# Altium PCB VALVEBOARD_Kun.PcbDoc (part 5 of 13) (continued)
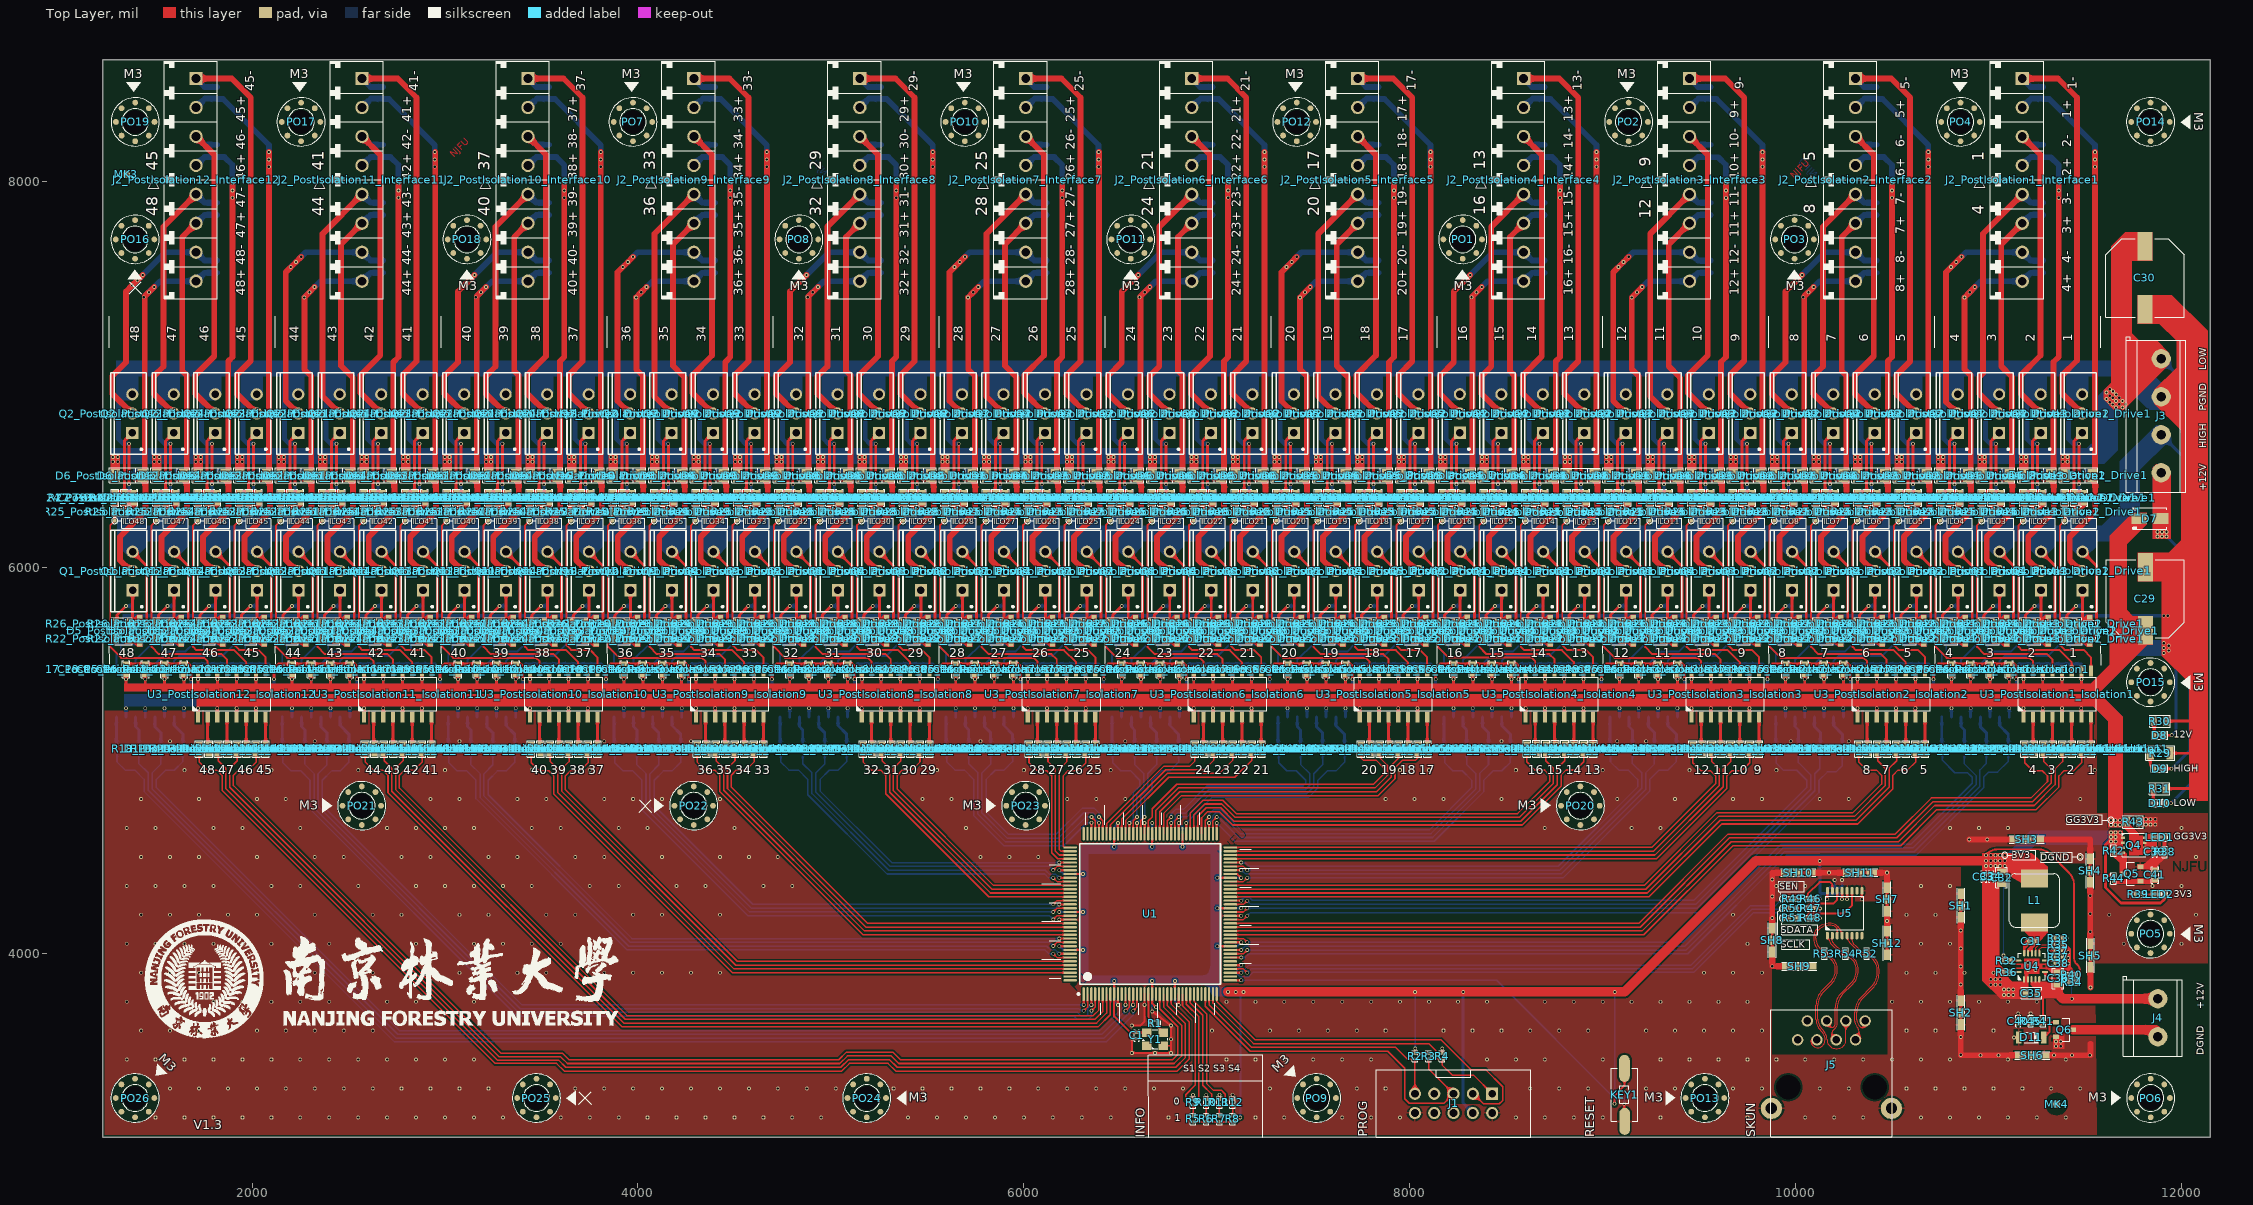
[diagram p0: Top Layer view]
## Nets (pads, with @x,y where several pads share a name; then routed paths per layer and width w, separated by ;. In a path a pad name is that pad's centre, name@x,y a point inside that pad or via, vN(x,y) a via of type N, cw(c..) or ccw(c..) an arc to the next point about the centre after c; other vN are vias at no path point) (continued)
DLO2_PostIsolation12: C24_PostIsolation12_Interface12.2 J2_PostIsolation12_Interface12.3 Q2_PostIsolation12_Drive2.2 | length 1686
  Top Layer w30: J2_PostIsolation12_Interface12.3@1709.65,8234.2 1803.94,8139.92 1803.94,7094.98 1705.93,6996.97 1705.93,6901.16 Q2_PostIsolation12_Drive2.2@1809.27,6797.82
  Bottom Layer w30: J2_PostIsolation12_Interface12.3@1709.65,8234.2 1753.08,8190.78 C24_PostIsolation12_Interface12.2@1818.87,8190.78
DLO3_PostIsolation1: C25_PostIsolation1_Interface1.2 J2_PostIsolation1_Interface1.5 Q2_PostIsolation1_Drive3.2 | length 1398.7
  Top Layer w30: Q2_PostIsolation1_Drive3.2@11054.79,6797.82 10951.45,6901.16 10951.45,6987.96 10970.47,7006.98 10970.47,7730.16 J2_PostIsolation1_Interface1.5@11174.44,7934.14
  Bottom Layer w30: J2_PostIsolation1_Interface1.5@11174.44,7934.14 11217.87,7890.71 C25_PostIsolation1_Interface1.2@11283.66,7890.71
DLO3_PostIsolation2: C25_PostIsolation2_Interface2.2 J2_PostIsolation2_Interface2.5 Q2_PostIsolation2_Drive3.2 | length 1397
  Top Layer w30: Q2_PostIsolation2_Drive3.2@10194.86,6797.82 10091.52,6901.16 10091.52,6991.74 10141.99,7042.21 10141.99,7765.93 J2_PostIsolation2_Interface2.5@10310.26,7934.2
  Bottom Layer w30: J2_PostIsolation2_Interface2.5@10310.26,7934.2 10353.69,7890.78 C25_PostIsolation2_Interface2.2@10419.48,7890.78
DLO3_PostIsolation3: C25_PostIsolation3_Interface3.2 J2_PostIsolation3_Interface3.5 Q2_PostIsolation3_Drive3.2 | length 1384.7
  Top Layer w30: Q2_PostIsolation3_Drive3.2@9334.8,6797.82 9246.23,6886.39 9246.23,7730.16 J2_PostIsolation3_Interface3.5@9450.2,7934.14
  Bottom Layer w30: J2_PostIsolation3_Interface3.5@9450.2,7934.14 9493.63,7890.71 C25_PostIsolation3_Interface3.2@9559.42,7890.71
DLO3_PostIsolation4: C25_PostIsolation4_Interface4.2 J2_PostIsolation4_Interface4.5 Q2_PostIsolation4_Drive3.2 | length 1397
  Top Layer w30: Q2_PostIsolation4_Drive3.2@8474.74,6797.82 8371.4,6901.16 8371.4,6991.74 8421.87,7042.21 8421.87,7765.93 J2_PostIsolation4_Interface4.5@8590.14,7934.2
  Bottom Layer w30: J2_PostIsolation4_Interface4.5@8590.14,7934.2 8633.56,7890.78 C25_PostIsolation4_Interface4.2@8699.35,7890.78
DLO3_PostIsolation5: C25_PostIsolation5_Interface5.2 J2_PostIsolation5_Interface5.5 Q2_PostIsolation5_Drive3.2 | length 1384.8
  Top Layer w30: Q2_PostIsolation5_Drive3.2@7614.68,6797.82 7526.11,6886.39 7526.11,7730.23 J2_PostIsolation5_Interface5.5@7730.08,7934.2
  Bottom Layer w30: J2_PostIsolation5_Interface5.5@7730.08,7934.2 7773.5,7890.78 C25_PostIsolation5_Interface5.2@7839.29,7890.78
DLO3_PostIsolation6: C25_PostIsolation6_Interface6.2 J2_PostIsolation6_Interface6.5 Q2_PostIsolation6_Drive3.2 | length 1397
  Top Layer w30: Q2_PostIsolation6_Drive3.2@6754.62,6797.82 6651.28,6901.16 6651.28,6991.74 6701.75,7042.21 6701.75,7765.93 J2_PostIsolation6_Interface6.5@6870.02,7934.2
  Bottom Layer w30: J2_PostIsolation6_Interface6.5@6870.02,7934.2 6913.44,7890.78 C25_PostIsolation6_Interface6.2@6979.23,7890.78
DLO3_PostIsolation7: C25_PostIsolation7_Interface7.2 J2_PostIsolation7_Interface7.5 Q2_PostIsolation7_Drive3.2 | length 1384.8
  Top Layer w30: Q2_PostIsolation7_Drive3.2@5894.56,6797.82 5805.99,6886.39 5805.99,7730.23 J2_PostIsolation7_Interface7.5@6009.96,7934.2
  Bottom Layer w30: J2_PostIsolation7_Interface7.5@6009.96,7934.2 6053.38,7890.78 C25_PostIsolation7_Interface7.2@6119.17,7890.78
DLO3_PostIsolation8: C25_PostIsolation8_Interface8.2 J2_PostIsolation8_Interface8.5 Q2_PostIsolation8_Drive3.2 | length 1397
  Top Layer w30: Q2_PostIsolation8_Drive3.2@5034.5,6797.82 4931.15,6901.16 4931.15,6991.74 4981.62,7042.21 4981.62,7765.93 J2_PostIsolation8_Interface8.5@5149.9,7934.2
  Bottom Layer w30: J2_PostIsolation8_Interface8.5@5149.9,7934.2 5193.32,7890.78 C25_PostIsolation8_Interface8.2@5259.11,7890.78
DLO3_PostIsolation9: C25_PostIsolation9_Interface9.2 J2_PostIsolation9_Interface9.5 Q2_PostIsolation9_Drive3.2 | length 1384.8
  Top Layer w30: Q2_PostIsolation9_Drive3.2@4174.44,6797.82 4085.86,6886.39 4085.86,7730.23 J2_PostIsolation9_Interface9.5@4289.84,7934.2
  Bottom Layer w30: J2_PostIsolation9_Interface9.5@4289.84,7934.2 4333.26,7890.78 C25_PostIsolation9_Interface9.2@4399.05,7890.78
DLO3_PostIsolation10: C25_PostIsolation10_Interface10.2 J2_PostIsolation10_Interface10.5 Q2_PostIsolation10_Drive3.2 | length 1397
  Top Layer w30: Q2_PostIsolation10_Drive3.2@3314.38,6797.82 3211.03,6901.16 3211.03,6991.74 3261.5,7042.21 3261.5,7765.93 J2_PostIsolation10_Interface10.5@3429.78,7934.2
  Bottom Layer w30: J2_PostIsolation10_Interface10.5@3429.78,7934.2 3473.2,7890.78 C25_PostIsolation10_Interface10.2@3538.99,7890.78
DLO3_PostIsolation11: C25_PostIsolation11_Interface11.2 J2_PostIsolation11_Interface11.5 Q2_PostIsolation11_Drive3.2 | length 1384.8
  Top Layer w30: Q2_PostIsolation11_Drive3.2@2454.31,6797.82 2365.74,6886.39 2365.74,7730.23 J2_PostIsolation11_Interface11.5@2569.72,7934.2
  Bottom Layer w30: J2_PostIsolation11_Interface11.5@2569.72,7934.2 2613.14,7890.78 C25_PostIsolation11_Interface11.2@2678.93,7890.78
DLO3_PostIsolation12: C25_PostIsolation12_Interface12.2 J2_PostIsolation12_Interface12.5 Q2_PostIsolation12_Drive3.2 | length 1397
  Top Layer w30: Q2_PostIsolation12_Drive3.2@1594.25,6797.82 1490.91,6901.16 1490.91,6991.74 1541.38,7042.21 1541.38,7765.93 J2_PostIsolation12_Interface12.5@1709.65,7934.2
  Bottom Layer w30: J2_PostIsolation12_Interface12.5@1709.65,7934.2 1753.08,7890.78 C25_PostIsolation12_Interface12.2@1818.87,7890.78
DLO4_PostIsolation1: C26_PostIsolation1_Interface1.2 J2_PostIsolation1_Interface1.7 Q2_PostIsolation1_Drive4.2 | length 1399.1
  Top Layer w30: Q2_PostIsolation1_Drive4.2@10840.01,6797.82 10779.23,6858.61 10779.23,7530.75 v1(10832.36,7583.88) v1(10859.15,7610.67)
  Bottom Layer w30: v1(10805.57,7557.09) v1(10832.36,7583.88) v1(10859.15,7610.67) 10882.61,7634.14 J2_PostIsolation1_Interface1.7@11174.44,7634.14 11217.87,7590.71 C26_PostIsolation1_Interface1.2@11283.66,7590.71
DLO4_PostIsolation2: C26_PostIsolation2_Interface2.2 J2_PostIsolation2_Interface2.7 Q2_PostIsolation2_Drive4.2 | length 1354.3
  Top Layer w30: Q2_PostIsolation2_Drive4.2@9979.85,6797.82 9876.5,6901.16 9876.5,6993 9947.77,7064.26 9947.77,7430.47 v1(9980.01,7462.71) v1(10006.8,7489.49) v1(10033.58,7516.28)
  Bottom Layer w30: v1@9980.36,7463.06 10151.51,7634.2 J2_PostIsolation2_Interface2.7@10310.26,7634.2 10353.69,7590.78 C26_PostIsolation2_Interface2.2@10419.48,7590.78
DLO4_PostIsolation3: C26_PostIsolation3_Interface3.2 J2_PostIsolation3_Interface3.7 Q2_PostIsolation3_Drive4.2 | length 1400.8
  Top Layer w30: Q2_PostIsolation3_Drive4.2@9119.79,6797.82 9054.98,6862.62 9054.98,7530.75 v1(9108.11,7583.88) v1(9134.9,7610.67)
  Bottom Layer w30: v1(9081.33,7557.09) v1(9108.11,7583.88) v1(9134.9,7610.67) 9158.37,7634.14 J2_PostIsolation3_Interface3.7@9450.2,7634.14 9493.63,7590.71 C26_PostIsolation3_Interface3.2@9559.42,7590.71
DLO4_PostIsolation4: C26_PostIsolation4_Interface4.2 J2_PostIsolation4_Interface4.7 Q2_PostIsolation4_Drive4.2 | length 1354.3
  Top Layer w30: 8156.38,6993 8227.65,7064.26 8227.65,7430.47 v1(8259.89,7462.71) v1(8286.68,7489.49) v1(8313.46,7516.28) ; 8156.38,6993.44 8156.38,6901.61 Q2_PostIsolation4_Drive4.2@8259.72,6798.26
  Bottom Layer w30: v1@8260.24,7463.06 8431.38,7634.2 J2_PostIsolation4_Interface4.7@8590.14,7634.2 8633.56,7590.78 C26_PostIsolation4_Interface4.2@8699.35,7590.78
DLO4_PostIsolation5: C26_PostIsolation5_Interface5.2 J2_PostIsolation5_Interface5.7 Q2_PostIsolation5_Drive4.2 | length 1400.8
  Top Layer w30: Q2_PostIsolation5_Drive4.2@7399.66,6797.82 7334.86,6862.62 7334.86,7530.81 v1(7387.99,7583.95) v1(7414.78,7610.73)
  Bottom Layer w30: v1(7361.21,7557.16) v1(7387.99,7583.95) v1(7414.78,7610.73) 7438.25,7634.2 J2_PostIsolation5_Interface5.7@7730.08,7634.2 7773.5,7590.78 C26_PostIsolation5_Interface5.2@7839.29,7590.78
DLO4_PostIsolation6: C26_PostIsolation6_Interface6.2 J2_PostIsolation6_Interface6.7 Q2_PostIsolation6_Drive4.2 | length 1354.3
  Top Layer w30: Q2_PostIsolation6_Drive4.2@6539.6,6797.82 6436.26,6901.16 6436.26,6993 6507.53,7064.26 6507.53,7430.47 v1(6539.77,7462.71) v1(6566.56,7489.49) v1(6593.34,7516.28)
  Bottom Layer w30: v1@6540.12,7463.06 6711.26,7634.2 J2_PostIsolation6_Interface6.7@6870.02,7634.2 6913.44,7590.78 C26_PostIsolation6_Interface6.2@6979.23,7590.78
DLO4_PostIsolation7: C26_PostIsolation7_Interface7.2 J2_PostIsolation7_Interface7.7 Q2_PostIsolation7_Drive4.2 | length 1400.8
  Top Layer w30: Q2_PostIsolation7_Drive4.2@5679.54,6797.82 5614.74,6862.62 5614.74,7530.81 v1(5667.87,7583.95) v1(5694.66,7610.73)
  Bottom Layer w30: v1(5641.09,7557.16) v1(5667.87,7583.95) v1(5694.66,7610.73) 5718.13,7634.2 J2_PostIsolation7_Interface7.7@6009.96,7634.2 6053.38,7590.78 C26_PostIsolation7_Interface7.2@6119.17,7590.78
DLO4_PostIsolation8: C26_PostIsolation8_Interface8.2 J2_PostIsolation8_Interface8.7 Q2_PostIsolation8_Drive4.2 | length 1354.3
  Top Layer w30: Q2_PostIsolation8_Drive4.2@4819.48,6797.82 4716.14,6901.16 4716.14,6993 4787.41,7064.26 4787.41,7430.47 v1(4819.65,7462.71) v1(4846.43,7489.49) v1(4873.22,7516.28)
  Bottom Layer w30: v1@4820,7463.06 4991.14,7634.2 J2_PostIsolation8_Interface8.7@5149.9,7634.2 5193.32,7590.78 C26_PostIsolation8_Interface8.2@5259.11,7590.78
DLO4_PostIsolation9: C26_PostIsolation9_Interface9.2 J2_PostIsolation9_Interface9.7 Q2_PostIsolation9_Drive4.2 | length 1400.8
  Top Layer w30: Q2_PostIsolation9_Drive4.2@3959.42,6797.82 3894.62,6862.62 3894.62,7530.81 v1(3947.75,7583.95) v1(3974.54,7610.73)
  Bottom Layer w30: v1(3920.96,7557.16) v1(3947.75,7583.95) v1(3974.54,7610.73) 3998.01,7634.2 J2_PostIsolation9_Interface9.7@4289.84,7634.2 4333.26,7590.78 C26_PostIsolation9_Interface9.2@4399.05,7590.78
DLO4_PostIsolation10: C26_PostIsolation10_Interface10.2 J2_PostIsolation10_Interface10.7 Q2_PostIsolation10_Drive4.2 | length 1354.3
  Top Layer w30: Q2_PostIsolation10_Drive4.2@3099.36,6797.82 2996.02,6901.16 2996.02,6992.99 3067.29,7064.26 3067.29,7430.46 v1(3099.53,7462.71) v1(3126.31,7489.49) v1(3153.1,7516.28)
  Bottom Layer w30: v1@3099.88,7463.06 3271.02,7634.2 J2_PostIsolation10_Interface10.7@3429.78,7634.2 3473.2,7590.78 C26_PostIsolation10_Interface10.2@3538.99,7590.78
DLO4_PostIsolation11: C26_PostIsolation11_Interface11.2 J2_PostIsolation11_Interface11.7 Q2_PostIsolation11_Drive4.2 | length 1400.8
  Top Layer w30: Q2_PostIsolation11_Drive4.2@2239.3,6797.82 2174.5,6862.62 2174.5,7530.82 v1(2227.63,7583.95) v1(2254.42,7610.73)
  Bottom Layer w30: v1(2200.84,7557.16) v1(2227.63,7583.95) v1(2254.42,7610.73) 2277.88,7634.2 J2_PostIsolation11_Interface11.7@2569.72,7634.2 2613.14,7590.78 C26_PostIsolation11_Interface11.2@2678.93,7590.78
DLO4_PostIsolation12: C26_PostIsolation12_Interface12.2 J2_PostIsolation12_Interface12.7 Q2_PostIsolation12_Drive4.2 | length 1354.3
  Top Layer w30: Q2_PostIsolation12_Drive4.2@1379.24,6797.82 1275.9,6901.16 1275.9,6992.99 1347.16,7064.26 1347.16,7430.47 v1(1379.4,7462.71) v1(1406.19,7489.49) v1(1432.98,7516.28)
  Bottom Layer w30: v1@1379.76,7463.06 1550.9,7634.2 J2_PostIsolation12_Interface12.7@1709.65,7634.2 1753.08,7590.78 C26_PostIsolation12_Interface12.2@1818.87,7590.78
DUO1_PostIsolation1: C23_PostIsolation1_Interface1.1 D6_PostIsolation1_Drive1.1 J2_PostIsolation1_Interface1.2 Q1_PostIsolation1_Drive1.2 R23_PostIsolation1_Drive1.1 | length 2813.8
  Top Layer w30: Q1_PostIsolation1_Drive1.2@11486.61,5982.18 11477.68,5982.18 11461.19,5998.68 11460.61,5998.68 11420.89,6038.39 11420.89,6159.44 11553.24,6291.79 D6_PostIsolation1_Drive1.1@11553.24,6460.57 ; 11551.97,6513.19 v1(11551.97,8153.02)
  Bottom Layer w30: J2_PostIsolation1_Interface1.2@11174.44,8384.14 11221.26,8430.95 C23_PostIsolation1_Interface1.1@11283.66,8430.95 ; C23_PostIsolation1_Interface1.1@11283.66,8427.72 11314.05,8427.72 11551.97,8189.8 v1(11551.97,8077.25)
  other v1: 11500.56,6458.1 11551.97,8115.13
DUO1_PostIsolation2: C23_PostIsolation2_Interface2.1 D6_PostIsolation2_Drive1.1 J2_PostIsolation2_Interface2.2 Q1_PostIsolation2_Drive1.2 R23_PostIsolation2_Drive1.1 | length 2813.8
  Top Layer w30: Q1_PostIsolation2_Drive1.2@10626.55,5982.05 10617.63,5982.05 10601.13,5998.55 10600.55,5998.55 10560.83,6038.26 10560.83,6159.31 10693.18,6291.66 D6_PostIsolation2_Drive1.1@10693.18,6460.45 ; 10687.79,6513.98 v1@10687.79,8153.81
  Bottom Layer w30: J2_PostIsolation2_Interface2.2@10310.26,8384.2 10357.08,8431.02 C23_PostIsolation2_Interface2.1@10419.48,8431.02 ; C23_PostIsolation2_Interface2.1@10419.48,8427.78 10449.87,8427.78 10687.79,8189.87 v1(10687.79,8077.32)
  other v1: 10640.5,6457.97 10687.79,8115.2 10687.79,8153.08
DUO1_PostIsolation3: C23_PostIsolation3_Interface3.1 D6_PostIsolation3_Drive1.1 J2_PostIsolation3_Interface3.2 Q1_PostIsolation3_Drive1.2 R23_PostIsolation3_Drive1.1 | length 2813.8
  Top Layer w30: Q1_PostIsolation3_Drive1.2@9766.49,5982.05 9757.57,5982.05 9741.07,5998.55 9740.49,5998.55 9700.77,6038.26 9700.77,6159.31 9833.12,6291.66 D6_PostIsolation3_Drive1.1@9833.12,6460.45 ; 9827.72,6513.19 v1(9827.72,8153.02)
  Bottom Layer w30: J2_PostIsolation3_Interface3.2@9450.2,8384.14 9497.02,8430.95 C23_PostIsolation3_Interface3.1@9559.42,8430.95 ; C23_PostIsolation3_Interface3.1@9559.42,8427.72 9589.81,8427.72 9827.72,8189.8 v1(9827.72,8077.25)
  other v1: 9780.44,6457.97 9827.72,8115.13
DUO1_PostIsolation4: C23_PostIsolation4_Interface4.1 D6_PostIsolation4_Drive1.1 J2_PostIsolation4_Interface4.2 Q1_PostIsolation4_Drive1.2 R23_PostIsolation4_Drive1.1 | length 2813.8
  Top Layer w30: Q1_PostIsolation4_Drive1.2@8906.43,5981.92 8897.5,5981.92 8881.01,5998.41 8880.43,5998.41 8840.71,6038.13 8840.71,6159.18 8973.06,6291.53 D6_PostIsolation4_Drive1.1@8973.06,6460.31 ; 8967.66,6513.85 v1@8967.66,8153.67
  Bottom Layer w30: J2_PostIsolation4_Interface4.2@8590.14,8384.2 8636.95,8431.02 C23_PostIsolation4_Interface4.1@8699.35,8431.02 ; C23_PostIsolation4_Interface4.1@8699.35,8427.78 8729.75,8427.78 8967.66,8189.87 v1(8967.66,8077.32)
  other v1: 8920.38,6457.84 8967.66,8115.2 8967.66,8153.08
DUO1_PostIsolation5: C23_PostIsolation5_Interface5.1 D6_PostIsolation5_Drive1.1 J2_PostIsolation5_Interface5.2 Q1_PostIsolation5_Drive1.2 R23_PostIsolation5_Drive1.1 | length 2813.8
  Top Layer w30: Q1_PostIsolation5_Drive1.2@8046.37,5982.05 8037.44,5982.05 8020.95,5998.55 8020.37,5998.55 7980.65,6038.26 7980.65,6159.31 8113,6291.66 D6_PostIsolation5_Drive1.1@8113,6460.45 ; 8109.26,6514.09 v1@8109.26,8153.91
  Bottom Layer w30: J2_PostIsolation5_Interface5.2@7730.08,8384.2 7776.89,8431.02 C23_PostIsolation5_Interface5.1@7839.29,8431.02 ; C23_PostIsolation5_Interface5.1@7839.29,8427.85 7869.69,8427.78 8107.6,8189.87 v1(8107.6,8077.32)
  other v1: 8060.32,6457.97 8107.6,8115.2 8107.6,8153.08
DUO1_PostIsolation6: C23_PostIsolation6_Interface6.1 D6_PostIsolation6_Drive1.1 J2_PostIsolation6_Interface6.2 Q1_PostIsolation6_Drive1.2 R23_PostIsolation6_Drive1.1 | length 2813.8
  Top Layer w30: Q1_PostIsolation6_Drive1.2@7186.31,5982.05 7177.38,5982.05 7160.89,5998.55 7160.31,5998.55 7120.59,6038.26 7120.59,6159.31 7252.94,6291.66 D6_PostIsolation6_Drive1.1@7252.94,6460.45 ; 7247.54,6513.85 v1@7247.54,8153.67
  Bottom Layer w30: J2_PostIsolation6_Interface6.2@6870.02,8384.2 6916.83,8431.02 C23_PostIsolation6_Interface6.1@6979.23,8431.02 ; C23_PostIsolation6_Interface6.1@6979.23,8427.78 7009.63,8427.78 7247.54,8189.87 v1(7247.54,8077.32)
  other v1: 7200.26,6457.97 7247.54,8115.2 7247.54,8153.08
DUO1_PostIsolation7: C23_PostIsolation7_Interface7.1 D6_PostIsolation7_Drive1.1 J2_PostIsolation7_Interface7.2 Q1_PostIsolation7_Drive1.2 R23_PostIsolation7_Drive1.1 | length 2813.8
  Top Layer w30: Q1_PostIsolation7_Drive1.2@6326.25,5982.05 6317.32,5982.05 6300.83,5998.55 6300.24,5998.55 6260.53,6038.26 6260.53,6159.31 6392.88,6291.66 D6_PostIsolation7_Drive1.1@6392.88,6460.45 ; 6389.14,6514.09 v1@6389.14,8153.91
  Bottom Layer w30: J2_PostIsolation7_Interface7.2@6009.96,8384.2 6056.77,8431.02 C23_PostIsolation7_Interface7.1@6119.17,8431.02 ; C23_PostIsolation7_Interface7.1@6119.17,8427.85 6149.57,8427.78 6387.48,8189.87 v1(6387.48,8077.32)
  other v1: 6340.2,6457.97 6387.48,8115.2 6387.48,8153.08
DUO1_PostIsolation8: C23_PostIsolation8_Interface8.1 D6_PostIsolation8_Drive1.1 J2_PostIsolation8_Interface8.2 Q1_PostIsolation8_Drive1.2 R23_PostIsolation8_Drive1.1 | length 2813.8
  Top Layer w30: Q1_PostIsolation8_Drive1.2@5466.19,5982.05 5457.26,5982.05 5440.77,5998.55 5440.18,5998.55 5400.47,6038.26 5400.47,6159.31 5532.82,6291.66 D6_PostIsolation8_Drive1.1@5532.82,6460.45 ; 5527.42,6513.85 v1@5527.42,8153.67
  Bottom Layer w30: J2_PostIsolation8_Interface8.2@5149.9,8384.2 5196.71,8431.02 C23_PostIsolation8_Interface8.1@5259.11,8431.02 ; C23_PostIsolation8_Interface8.1@5259.11,8427.78 5289.51,8427.78 5527.42,8189.87 v1(5527.42,8077.32)
  other v1: 5480.13,6457.97 5527.42,8115.2 5527.42,8153.08
DUO1_PostIsolation9: C23_PostIsolation9_Interface9.1 D6_PostIsolation9_Drive1.1 J2_PostIsolation9_Interface9.2 Q1_PostIsolation9_Drive1.2 R23_PostIsolation9_Drive1.1 | length 2813.8
  Top Layer w30: Q1_PostIsolation9_Drive1.2@4606.13,5982.05 4597.2,5982.05 4580.7,5998.55 4580.12,5998.55 4540.41,6038.26 4540.41,6159.31 4672.76,6291.66 D6_PostIsolation9_Drive1.1@4672.76,6460.45 ; 4669.01,6514.09 v1@4669.01,8153.91
  Bottom Layer w30: J2_PostIsolation9_Interface9.2@4289.84,8384.2 4336.65,8431.02 C23_PostIsolation9_Interface9.1@4399.05,8431.02 ; C23_PostIsolation9_Interface9.1@4399.05,8427.85 4429.44,8427.78 4667.36,8189.87 v1(4667.36,8077.32)
  other v1: 4620.07,6457.97 4667.36,8115.2 4667.36,8153.08
DUO1_PostIsolation10: C23_PostIsolation10_Interface10.1 D6_PostIsolation10_Drive1.1 J2_PostIsolation10_Interface10.2 Q1_PostIsolation10_Drive1.2 R23_PostIsolation10_Drive1.1 | length 2813.8
  Top Layer w30: Q1_PostIsolation10_Drive1.2@3746.07,5982.05 3737.14,5982.05 3720.64,5998.55 3720.06,5998.55 3680.35,6038.26 3680.35,6159.31 3812.7,6291.66 D6_PostIsolation10_Drive1.1@3812.7,6460.45 ; 3807.3,6513.85 v1@3807.3,8153.67
  Bottom Layer w30: J2_PostIsolation10_Interface10.2@3429.78,8384.2 3476.59,8431.02 C23_PostIsolation10_Interface10.1@3538.99,8431.02 ; C23_PostIsolation10_Interface10.1@3538.99,8427.78 3569.38,8427.78 3807.3,8189.87 v1(3807.3,8077.32)
  other v1: 3760.01,6457.97 3807.3,8115.2 3807.3,8153.08
DUO1_PostIsolation11: C23_PostIsolation11_Interface11.1 D6_PostIsolation11_Drive1.1 J2_PostIsolation11_Interface11.2 Q1_PostIsolation11_Drive1.2 R23_PostIsolation11_Drive1.1 | length 2813.8
  Top Layer w30: Q1_PostIsolation11_Drive1.2@2886.01,5982.05 2877.08,5982.05 2860.58,5998.55 2860,5998.55 2820.28,6038.26 2820.28,6159.31 2952.64,6291.66 D6_PostIsolation11_Drive1.1@2952.64,6460.45 ; 2948.89,6514.09 v1@2948.89,8153.91
  Bottom Layer w30: J2_PostIsolation11_Interface11.2@2569.72,8384.2 2616.53,8431.02 C23_PostIsolation11_Interface11.1@2678.93,8431.02 ; C23_PostIsolation11_Interface11.1@2678.93,8427.78 2709.32,8427.78 2947.24,8189.87 v1(2947.24,8077.32)
  other v1: 2899.95,6457.97 2947.24,8115.2 2947.24,8153.08
DUO1_PostIsolation12: C23_PostIsolation12_Interface12.1 D6_PostIsolation12_Drive1.1 J2_PostIsolation12_Interface12.2 Q1_PostIsolation12_Drive1.2 R23_PostIsolation12_Drive1.1 | length 2813.8
  Top Layer w30: Q1_PostIsolation12_Drive1.2@2025.95,5982.05 2017.02,5982.05 2000.52,5998.55 1999.94,5998.55 1960.22,6038.26 1960.22,6159.31 2092.57,6291.66 D6_PostIsolation12_Drive1.1@2092.57,6460.45 ; 2087.18,6513.85 v1@2087.18,8153.67
  Bottom Layer w30: J2_PostIsolation12_Interface12.2@1709.65,8384.2 1756.47,8431.02 C23_PostIsolation12_Interface12.1@1818.87,8431.02 ; C23_PostIsolation12_Interface12.1@1818.87,8427.78 1849.26,8427.78 2087.18,8189.87 v1(2087.18,8077.32)
  other v1: 2039.89,6457.97 2087.18,8115.2 2087.18,8153.08
DUO2_PostIsolation1: C24_PostIsolation1_Interface1.1 D6_PostIsolation1_Drive2.1 J2_PostIsolation1_Interface1.4 Q1_PostIsolation1_Drive2.2 R23_PostIsolation1_Drive2.1 | length 2449.8
  Top Layer w30: Q1_PostIsolation1_Drive2.2@11271.6,5982.05 11262.67,5982.05 11246.18,5998.55 11245.6,5998.55 11205.88,6038.26 11205.88,6159.31 11338.23,6291.66 D6_PostIsolation1_Drive2.1@11338.23,6460.45 ; 11336.96,6513.06 11336.96,7065.2 11363.14,7091.38 v1(11363.14,7953.88) v1(11363.14,7991.76)
  Bottom Layer w30: J2_PostIsolation1_Interface1.4@11174.44,8084.14 11218.03,8127.72 C24_PostIsolation1_Interface1.1@11283.66,8127.72 11284.41,8126.97 11322.58,8126.97 11363.14,8086.41 v1(11363.14,7991.76) v1(11363.14,7953.88) v1(11363.14,7916)
  other v1: 11285.55,6457.97
DUO2_PostIsolation2: C24_PostIsolation2_Interface2.1 D6_PostIsolation2_Drive2.1 J2_PostIsolation2_Interface2.4 Q1_PostIsolation2_Drive2.2 R23_PostIsolation2_Drive2.1 | length 2448.2
  Top Layer w30: Q1_PostIsolation2_Drive2.2@10411.54,5982.05 10402.61,5982.05 10386.11,5998.55 10385.53,5998.55 10345.82,6038.26 10345.82,6159.31 10478.17,6291.66 D6_PostIsolation2_Drive2.1@10478.17,6460.45 ; 10476.9,6513.06 10476.9,7069.38 10498.96,7091.44 v1(10498.96,7916.07) v1(10498.96,7953.95) v1(10498.96,7991.83)
  Bottom Layer w30: J2_PostIsolation2_Interface2.4@10310.26,8084.2 10353.84,8127.78 C24_PostIsolation2_Interface2.1@10419.48,8127.78 10420.22,8127.04 10458.39,8127.04 10498.96,8086.47 v1(10498.96,7991.83) v1(10498.96,7953.95) v1(10498.96,7916.07)
  other v1: 10425.48,6457.97
DUO2_PostIsolation3: C24_PostIsolation3_Interface3.1 D6_PostIsolation3_Drive2.1 J2_PostIsolation3_Interface3.4 Q1_PostIsolation3_Drive2.2 R23_PostIsolation3_Drive2.1 | length 2449.8
  Top Layer w30: Q1_PostIsolation3_Drive2.2@9551.48,5982.05 9542.55,5982.05 9526.05,5998.55 9525.47,5998.55 9485.76,6038.26 9485.76,6159.31 9618.11,6291.66 D6_PostIsolation3_Drive2.1@9618.11,6460.45 ; 9612.72,6513.06 9612.72,7065.2 9638.9,7091.38 v1(9638.9,7953.88) v1(9638.9,7991.76)
  Bottom Layer w30: J2_PostIsolation3_Interface3.4@9450.2,8084.14 9493.78,8127.72 C24_PostIsolation3_Interface3.1@9559.42,8127.72 9560.16,8126.97 9598.33,8126.97 9638.9,8086.41 v1(9638.9,7991.76) v1(9638.9,7953.88) v1(9638.9,7916)
  other v1: 9565.42,6457.97
DUO2_PostIsolation4: C24_PostIsolation4_Interface4.1 D6_PostIsolation4_Drive2.1 J2_PostIsolation4_Interface4.4 Q1_PostIsolation4_Drive2.2 R23_PostIsolation4_Drive2.1 | length 2479.4
  Top Layer w30: Q1_PostIsolation4_Drive2.2@8691.42,5982.05 8682.49,5982.05 8665.99,5998.55 8665.41,5998.55 8625.7,6038.26 8625.7,6159.31 8758.05,6291.66 D6_PostIsolation4_Drive2.1@8758.05,6460.45 ; 8756.78,6512.93 8756.78,7069.25 8778.84,7091.31 ; 8756.78,7069.38 8778.84,7091.44 v1(8778.84,7916.07) v1(8778.84,7953.95) v1(8778.84,7991.83)
  Bottom Layer w30: J2_PostIsolation4_Interface4.4@8590.14,8084.2 8633.72,8127.78 C24_PostIsolation4_Interface4.1@8699.35,8127.78 8700.1,8127.04 8738.27,8127.04 8778.84,8086.47 v1(8778.84,7991.83) v1(8778.84,7953.95) v1(8778.84,7916.07)
  other v1: 8705.36,6457.97
DUO2_PostIsolation5: C24_PostIsolation5_Interface5.1 D6_PostIsolation5_Drive2.1 J2_PostIsolation5_Interface5.4 Q1_PostIsolation5_Drive2.2 R23_PostIsolation5_Drive2.1 | length 2449.9
  Top Layer w30: Q1_PostIsolation5_Drive2.2@7831.36,5982.05 7822.43,5982.05 7805.93,5998.55 7805.35,5998.55 7765.63,6038.26 7765.63,6159.31 7897.98,6291.66 D6_PostIsolation5_Drive2.1@7897.98,6460.45 ; 7892.59,6513.06 7892.59,7064.44 7918.77,7090.62 v1(7918.77,7953.95) v1(7918.77,7991.83)
  Bottom Layer w30: J2_PostIsolation5_Interface5.4@7730.08,8084.2 7773.66,8127.78 C24_PostIsolation5_Interface5.1@7839.29,8127.78 7840.04,8127.04 7878.21,8127.04 7918.77,8086.47 v1(7918.77,7991.83) v1(7918.77,7953.95) v1(7918.77,7916.07)
  other v1: 7845.3,6457.97
DUO2_PostIsolation6: C24_PostIsolation6_Interface6.1 D6_PostIsolation6_Drive2.1 J2_PostIsolation6_Interface6.4 Q1_PostIsolation6_Drive2.2 R23_PostIsolation6_Drive2.1 | length 2479.4
  Top Layer w30: Q1_PostIsolation6_Drive2.2@6971.3,5982.05 6962.37,5982.05 6945.87,5998.55 6945.29,5998.55 6905.57,6038.26 6905.57,6159.31 7037.92,6291.66 D6_PostIsolation6_Drive2.1@7037.92,6460.45 ; 7036.66,6512.93 7036.66,7069.25 7058.72,7091.31 ; 7036.66,7069.38 7058.72,7091.44 v1(7058.72,7916.07) v1(7058.72,7953.95) v1(7058.72,7991.83)
  Bottom Layer w30: J2_PostIsolation6_Interface6.4@6870.02,8084.2 6913.6,8127.78 C24_PostIsolation6_Interface6.1@6979.23,8127.78 6979.98,8127.04 7018.15,8127.04 7058.72,8086.47 v1(7058.72,7991.83) v1(7058.72,7953.95) v1(7058.72,7916.07)
  other v1: 6985.24,6457.97
DUO2_PostIsolation7: C24_PostIsolation7_Interface7.1 D6_PostIsolation7_Drive2.1 J2_PostIsolation7_Interface7.4 Q1_PostIsolation7_Drive2.2 R23_PostIsolation7_Drive2.1 | length 2449.9
  Top Layer w30: Q1_PostIsolation7_Drive2.2@6111.23,5982.05 6102.31,5982.05 6085.81,5998.55 6085.23,5998.55 6045.51,6038.26 6045.51,6159.31 6177.86,6291.66 D6_PostIsolation7_Drive2.1@6177.86,6460.45 ; 6172.47,6513.06 6172.47,7064.44 6198.65,7090.62 v1(6198.65,7953.95) v1(6198.65,7991.83)
  Bottom Layer w30: J2_PostIsolation7_Interface7.4@6009.96,8084.2 6053.54,8127.78 C24_PostIsolation7_Interface7.1@6119.17,8127.78 6119.92,8127.04 6158.09,8127.04 6198.65,8086.47 v1(6198.65,7991.83) v1(6198.65,7953.95) v1(6198.65,7916.07)
  other v1: 6125.18,6457.97
DUO2_PostIsolation8: C24_PostIsolation8_Interface8.1 D6_PostIsolation8_Drive2.1 J2_PostIsolation8_Interface8.4 Q1_PostIsolation8_Drive2.2 R23_PostIsolation8_Drive2.1 | length 2479.4
  Top Layer w30: Q1_PostIsolation8_Drive2.2@5251.17,5982.05 5242.25,5982.05 5225.75,5998.55 5225.17,5998.55 5185.45,6038.26 5185.45,6159.31 5317.8,6291.66 D6_PostIsolation8_Drive2.1@5317.8,6460.45 ; 5316.53,6512.93 5316.53,7069.25 5338.59,7091.31 ; 5316.53,7069.38 5338.59,7091.44 v1(5338.59,7916.07) v1(5338.59,7953.95) v1(5338.59,7991.83)
  Bottom Layer w30: J2_PostIsolation8_Interface8.4@5149.9,8084.2 5193.48,8127.78 C24_PostIsolation8_Interface8.1@5259.11,8127.78 5259.86,8127.04 5298.03,8127.04 5338.59,8086.47 v1(5338.59,7991.83) v1(5338.59,7953.95) v1(5338.59,7916.07)
  other v1: 5265.12,6457.97
DUO2_PostIsolation9: C24_PostIsolation9_Interface9.1 D6_PostIsolation9_Drive2.1 J2_PostIsolation9_Interface9.4 Q1_PostIsolation9_Drive2.2 R23_PostIsolation9_Drive2.1 | length 2449.9
  Top Layer w30: Q1_PostIsolation9_Drive2.2@4391.11,5982.05 4382.19,5982.05 4365.69,5998.55 4365.11,5998.55 4325.39,6038.26 4325.39,6159.31 4457.74,6291.66 D6_PostIsolation9_Drive2.1@4457.74,6460.45 ; 4452.35,6513.06 4452.35,7064.44 4478.53,7090.62 v1(4478.53,7953.95) v1(4478.53,7991.83)
  Bottom Layer w30: J2_PostIsolation9_Interface9.4@4289.84,8084.2 4333.42,8127.78 C24_PostIsolation9_Interface9.1@4399.05,8127.78 4399.8,8127.04 4437.97,8127.04 4478.53,8086.47 v1(4478.53,7991.83) v1(4478.53,7953.95) v1(4478.53,7916.06)
  other v1: 4405.06,6457.97